# Altium PCB Pleiades_PP.PcbDoc (part 1 of 15) (continued)
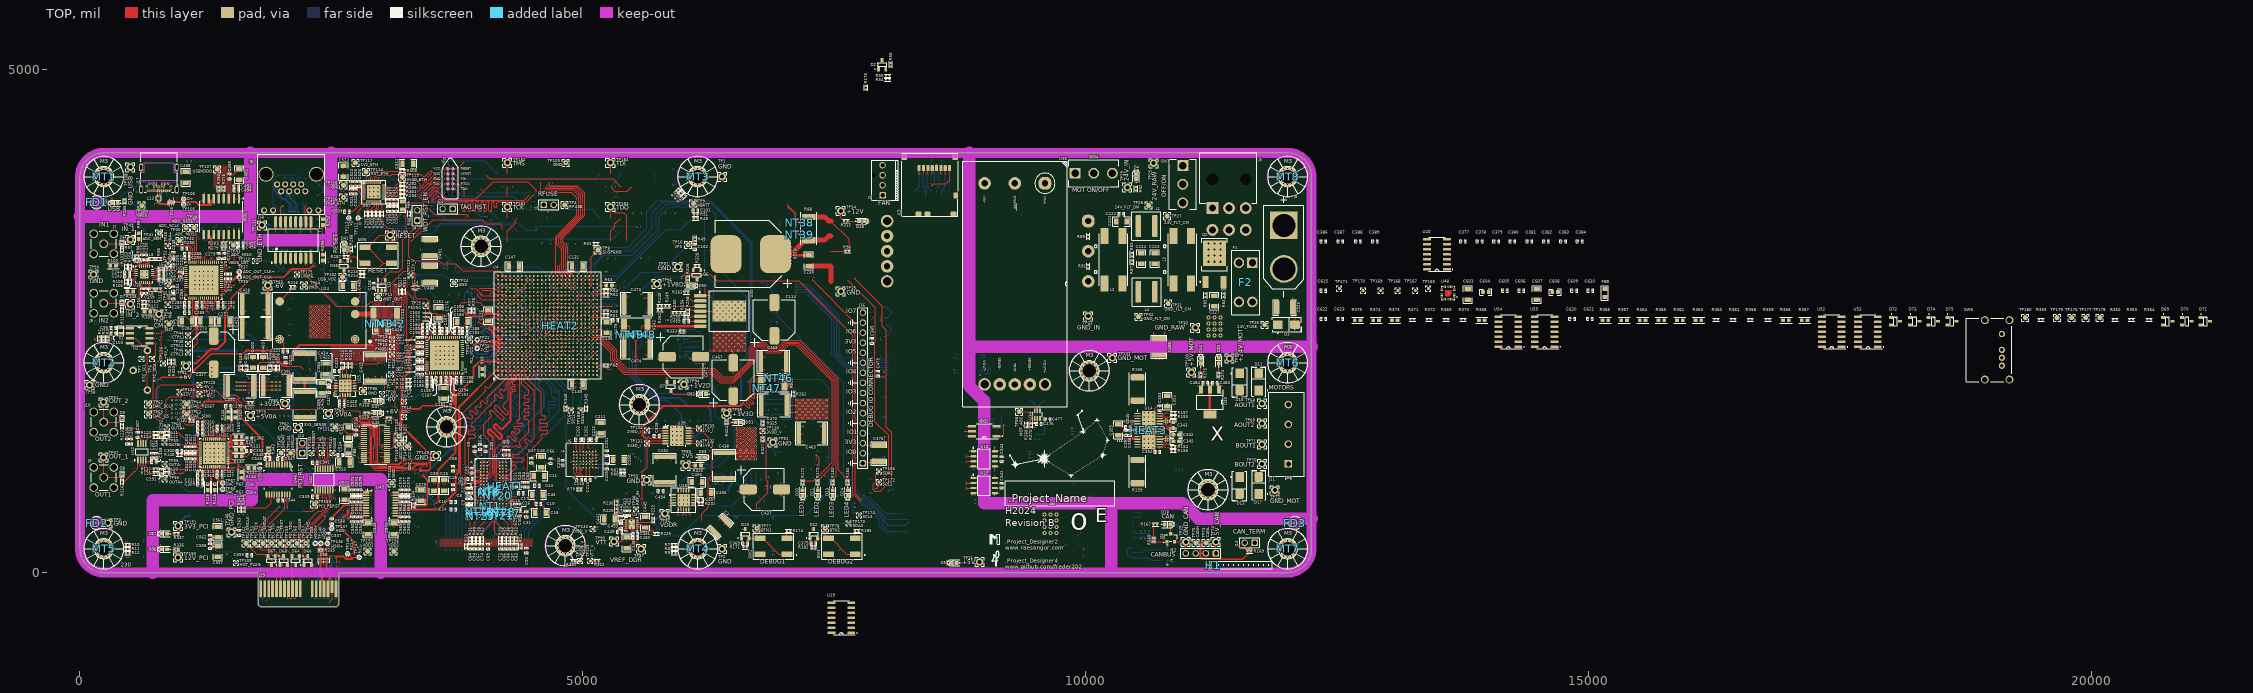
[diagram p0: TOP view]
## Design rules (kind name [scope] priority, off if disabled: settings) (continued)
Width [All] p5: maxlimit=100 minlimit=3 preferedwidth=3.5 toplayer_prefwidth=6 bottomlayer_prefwidth=6 minimp=50.000000 maximp=50.000000 favimp=50.000000
20 further rules are at their usual default settings.

## Classes and differential pairs
net class SD_CARD: SD_CLK SD_CMD SD_D0 SD_D1 SD_D2 SD_D3
net class OUT[0..3]: OUT0 OUT1 OUT2 OUT3
net class IN[0..3]: IN0 IN1 IN2 IN3
component class JTAG: C619 C620 C621 C622 C623 D69 D70 D71 D72 D73 D74 D75 J20 J22 J24 R352 R353 R354 R355 R356 R357 R358 R359 R360 R361 R362 R363 R364 R365 R366 R367 R368 R369 R370 R371 R372 R373 R374 R375 SW6 TP176 TP177 TP178 TP179 TP180 TP181 TP182 TP183 TP184 U52 U53 U54 U55
component class SENSORS: C603 C604 C605 C606 C607 C608 C609 C610 C611 C612 C613 C614 C615 C616 C617 C618 FB9 R345 R346 R347 R348 R349 R350 R351 TP163 TP164 TP165 TP166 TP167 TP168 TP169 TP170 TP171 TP172 TP173 TP174 TP175 U47 U48 U49 U50 U51
net class PROM_COMM: \CE \CEO \CF BUSY CLK CLKOUT OE/RESET PROM_D0 PROM_D1 PROM_D2 PROM_D3 PROM_D4 PROM_D5 PROM_D6 PROM_D7
net class +6V_SHUNT_KELVIN: +6V_SHUNT_19_+
net class +24V_MOT_SHUNT_KELVIN: +24V_MOT_SHUNT_24_+ +24V_MOT_SHUNT_24_-
net class +12V_SHUNT_KELVIN: +12V_SHUNT_19_+ +12V_SHUNT_19_-
net class +3V3D_SHUNT_KELVIN: +3V3D_SHUNT_19_+ +3V3D_SHUNT_19_-
net class +2V5D_SHUNT_KELVIN: +2V5D_SHUNT_19_+ +2V5D_SHUNT_19_-
net class +1V8D_SHUNT_KELVIN: +1V8D_SHUNT_19_+ +1V8D_SHUNT_19_-
net class +1V2D_SHUNT_KELVIN: +1V2D_SHUNT_19_+ +1V2D_SHUNT_19_-
net class DQL: DQ0 DQ1 DQ2 DQ3 DQ4 DQ5 DQ6 DQ7 LDQS_N LDQS_P
net class DQH: DQ8 DQ9 DQ10 DQ11 DQ12 DQ13 DQ14 DQ15 UDQS_N UDQS_P
component class USB: C487 C488 C489 C490 C491 C492 C493 C494 C495 C496 C497 C498 C499 C500 C501 C502 C503 D35 D36 D37 D38 D39 D40 D41 FB5 ISO2 ISO3 J17 L13 L14 M1 Q5 R277 R278 R279 R280 R281 R282 R283 R284 R285 R286 R287 R288 R289 R290 SW5 TP102 TP103 TP104 TP105 TP106 TP107 TP108 TP109 TP110
net class CAN: CAN_13_H CAN_13_L
net class ADC_DATA: CLK_ADC_OUT_N CLK_ADC_OUT_P DA0_N DA0_P DA2_N DA2_P DA4_N DA4_P DA6_N DA6_P DA8_N DA8_P DA10_N DA10_P DA12_N DA12_P DB0_N DB0_P DB2_N DB2_P DB4_N DB4_P DB6_N DB6_P DB8_N DB8_P DB10_N DB10_P DB12_N DB12_P
net class S50: COL_CONFIG0 CRS_CONFIG1 INTRP MDC MDIO RST_ETH_PHY RXC RXD0 RXD1 RXD2 RXD3 RXDV RXER SMA_IN1_11 SMA_IN2_11 SMA_OUT1_12 SMA_OUT2_12 TXC TXD0 TXD1 TXD2 TXD3 TXEN TXER
net class PCI: HSI0_N HSI0_P HSO0_N HSO0_P PCI_HSI0_18_N PCI_HSI0_18_P PCI_HSO0_18_N PCI_HSO0_18_P PCI_REFCLK_18_N PCI_REFCLK_18_P REFCLK_N REFCLK_P
net class MII: COL_CONFIG0 CRS_CONFIG1 INTRP MDC MDIO RST_ETH_PHY RXC RXD0 RXD1 RXD2 RXD3 RXDV RXER TXC TXD0 TXD1 TXD2 TXD3 TXEN TXER
component class PCI: C537 C538 C539 C540 C541 C542 C543 C544 C545 C546 C547 C548 C549 C550 C551 C552 C553 C554 C555 C556 C557 C558 C559 C560 C561 C562 C563 C564 C565 C566 C567 C568 C569 C570 C571 C572 C573 C574 C575 C576 C577 C578 C579 C580 C581 C582 C583 C584 C585 C586 C587 C588 C589 C590 C591 C592 C593 C594 C595 C596 C597 C598 C599 C600 C601 C602 D54 D55 D56 D57 D58 D59 D60 D61 D62 D63 D64 D65 D66 D67 D68 J19 R334 R335 R336 R337 R338 R339 R340 R341 R342 R343 R344 TP136 TP137 TP138 TP139 TP140 TP141 TP142 TP143 TP144 TP145 TP146 TP147 TP148 TP149 TP150 TP151 TP152 TP153 TP154 TP155 TP156 TP157 TP158 TP159 TP160 TP161 TP162 U42 U43 U44 U45 U46
net class USB: DD_16_+ DD_16_- UD_16_+ UD_16_-
net class SD_D[0..3]: SD_D0 SD_D1 SD_D2 SD_D3
net class PROM_D[0..7]: PROM_D0 PROM_D1 PROM_D2 PROM_D3 PROM_D4 PROM_D5 PROM_D6 PROM_D7
net class JTAG: \PCI_TRST PCI_TCK PCI_TDI PCI_TDO PCI_TMS TCK_USB TDI_USB TDO_USB TMS_USB
net class ETHERNET: RD_17_+ RD_17_- RX_17_+ RX_17_- TD_17_+ TD_17_- TX_17_+ TX_17_-
net class DQ[0..15]: DQ0 DQ1 DQ2 DQ3 DQ4 DQ5 DQ6 DQ7 DQ8 DQ9 DQ10 DQ11 DQ12 DQ13 DQ14 DQ15
net class DEBUG_LED_[1..4]: DEBUG_LED_1 DEBUG_LED_2 DEBUG_LED_3 DEBUG_LED_4
net class DDR_DATA: DQ0 DQ1 DQ2 DQ3 DQ4 DQ5 DQ6 DQ7 DQ8 DQ9 DQ10 DQ11 DQ12 DQ13 DQ14 DQ15 LDQS_N LDQS_P UDQS_N UDQS_P
net class DDR_CLK: CK_N CK_P LDQS_N LDQS_P UDQS_N UDQS_P
net class DDR_ADDR: A0 A1 A2 A3 A4 A5 A6 A7 A8 A9 A10 A11 A12 A13 A14 BA0 BA1 BA2
net class DAC_DIFF: D0_N D0_P D1_N D1_P D2_N D2_P D3_N D3_P D4_N D4_P D5_N D5_P D6_N D6_P D7_N D7_P DCI_N DCI_P FRAME_N FRAME_P
net class CLK: CLK_ADC_400MHZ_3_N CLK_ADC_400MHZ_3_P CLK_ADC_OUT_N CLK_ADC_OUT_P CLK_DAC_200MHZ_3_N CLK_DAC_200MHZ_3_P CLK_FPGA_100MHZ_N CLK_FPGA_100MHZ_P OSC_125MHZ_5_N OSC_125MHZ_5_P
net class BA[0..2]: BA0 BA1 BA2
net class ACC: \CAS \DDR_CS \DDR_RESET \RAS \WE A0 A1 A2 A3 A4 A5 A6 A7 A8 A9 A10 A11 A12 A13 A14 BA0 BA1 BA2 CK_N CK_P CKE LDM ODT UDM
net class A[0..14]: A0 A1 A2 A3 A4 A5 A6 A7 A8 A9 A10 A11 A12 A13 A14
component class "USER IOs": C368 C369 C370 C371 C372 C373 C374 C375 C376 C377 C378 C379 C380 C381 C382 C383 C384 C385 C386 C387 C388 C389 D19 D20 D21 D22 D23 D24 D25 D26 D27 D28 D29 D30 D31 D32 J15 J16 R171 R172 R173 R174 R175 R176 R177 R178 R179 R180 R181 R182 R183 R184 R185 SW2 SW3 TP77 TP78 U19 U20
component class Ethernet: C504 C505 C506 C507 C508 C509 C510 C511 C512 C513 C514 C515 C516 C517 C518 C519 C520 C521 C522 C523 C524 C525 C526 D42 D43 D44 D45 D46 FB6 FB7 J18 R291 R292 R293 R294 R295 R296 R297 R298 R299 R300 R301 R302 R303 R304 R305 R306 R307 R308 T1 TP111 TP112 TP113 TP114 TP115 TP116 TP117 TP118 U37 X2
component class "PROM FLASH": C200 C201 C202 C203 C204 C205 C206 C207 C208 C209 C210 C211 C212 C213 C214 C215 C216 C217 R79 R80 R81 R82 U6
component class "POWER INPUT": C218 C219 C220 C221 C222 C223 C224 C225 C226 C227 C228 C229 C230 C231 C232 C233 C234 D3 D4 D5 F1 F2 J5 J6 L1 L2 L3 L4 NT38 NT39 Q1 Q2 R83 R84 R85 R86 R87 R88 R89 R90 R91 R92 R93 SW1 TP25 TP26 TP27 TP28 TP29 TP30 TP31 TP32 TP33 TP34 TP35 TP36 U7 U8 WA1
component class POWER_SENSING: C527 C528 C529 C530 C531 C532 C533 C534 C535 C536 D47 D48 D49 D50 D51 D52 D53 FB8 Q6 Q7 R309 R310 R311 R312 R313 R314 R315 R316 R317 R318 R319 R320 R321 R322 R323 R324 R325 R326 R327 R328 R329 R330 R331 R332 R333 TP119 TP120 TP121 TP122 TP123 TP124 TP125 TP126 TP127 TP128 TP129 TP130 TP131 TP132 TP133 TP134 TP135 U38 U39 U40 U41
component class "MOTOR POWER": C476 C477 C478 C479 C480 C481 C482 C483 C484 C485 C486 D33 D34 NT52 NT53 R266 R267 R268 R269 R270 R271 R272 R273 R274 R275 R276 SW4 TP98 TP99 TP100 TP101 U32 U33 U34 U35 U36
component class "MOTOR CONTROL": C339 C340 C341 C342 C343 C344 C345 C346 C347 C348 C349 C350 C351 C352 C353 C354 C355 C356 C357 C358 C359 C360 C361 C362 C363 C367 D10 D11 D12 D13 D14 D15 D16 D17 D18 FB3 FB4 H12 HEAT3 ISO1 J11 J12 J13 Q3 Q4 R152 R153 R154 R155 R156 R157 R158 R159 R160 R161 R162 R163 R164 R165 R166 R167 R168 R169 R170 TP68 TP69 TP70 TP71 TP72 TP73 TP74 TP75 TP76 U13 U14 U15 U16 U17 U18
component class MECHANICAL: C1 C2 C3 C4 FD1 FD2 FD3 FD4 FD5 FD6 H1 H2 H3 H4 H5 H6 H7 H9 H11 H13 H15 H17 MT1 MT2 MT3 MT4 MT5 MT6 MT7 MT8 R1 R2 R3 R4 R5 R6 R7 R8 R9 R10 R11 R12 TP1 TP2 TP3
component class "FPGA POWER": C458 C459 C460 C461 C462 C463 C464 C465 C466 C467 C468 C469 C470 C471 C472 C473 C474 C475 NT46 NT47 NT48 NT49 NT50 NT51 R241 R242 R243 R244 R245 R246 R247 R248 R249 R250 R251 R252 R253 R254 R255 R256 R257 R258 R259 R260 R261 R262 R263 R264 R265 TP94 TP95 TP96 TP97 U29 U30 U31
component class "FPGA Misc": BT1 C99 C100 C101 C102 C103 C104 C105 C106 C107 C108 C109 C110 C111 C112 C113 C114 C115 C116 C117 C118 C119 C120 C121 C122 C123 C124 C125 C126 C127 C128 C129 C130 C131 C132 C133 C134 C135 C136 C137 C138 C139 C140 C141 C142 C143 C144 C145 C146 C147 C148 D1 D2 H10 HEAT2 J1 J2 J4 R45 R46 R47 R48 R49 R50 R51 R52 R53 R54 R55 R56 R57 TP4 TP5 TP6 TP7 TP8 TP9 TP10 TP11 U2 U3 X1
component class "FPGA IOs": C149 R58 R59 R60 R61 R62 R63 R64 R65 R66 R67 R68 R69 U4
component class DDR3: C5 C6 C7 C8 C9 C10 C11 C12 C13 C14 C15 C16 C17 C18 C19 C20 C21 C22 C23 C24 C25 C26 C27 C28 C29 C30 C31 C32 C33 C34 C35 C36 C37 C38 C39 C40 C41 C42 C43 C44 C45 C46 C47 C48 C49 C50 C51 C52 C53 C54 C55 C56 C57 C58 C59 C60 C61 C62 C63 C64 C65 C66 C67 C68 C69 C70 C71 C72 C73 C74 C75 C76 C77 C78 C79 C80 C81 C82 C83 C84 C85 C86 C87 C88 C89 C90 C91 C92 C93 C94 C95 C96 C97 C98 H8 HEAT1 NT1 NT2 NT3 NT4 NT5 NT6 NT7 NT8 NT9 NT10 NT11 NT12 NT13 NT14 NT15 NT16 NT17 NT18 NT19 NT20 NT21 NT22 NT23 NT24 NT25 NT26 NT27 NT28 NT29 R13 R14 R15 R16 R17 R18 R19 R20 R21 R22 R23 R24 R25 R26 R27 R28 R29 R30 R31 R32 R33 R34 R35 R36 R37 R38 R39 R40 R41 R42 R43 R44 U1
component class "DDR3 POWER": C429 C430 C431 C432 C433 C434 C435 C436 C437 C438 C439 C440 C441 C442 C443 C444 C445 C446 C447 C448 C449 C450 C451 C452 C453 C454 C455 C456 C457 NT44 NT45 R221 R222 R223 R224 R225 R226 R227 R228 R229 R230 R231 R232 R233 R234 R235 R236 R237 R238 R239 R240 TP87 TP88 TP89 TP90 TP91 TP92 TP93 U26 U27 U28
component class DAC: C291 C292 C293 C294 C295 C296 C297 C298 C299 C300 C301 C302 C303 C304 C305 C306 C307 C308 C309 C310 C311 C312 C313 C314 C315 C316 C317 C318 C319 C320 C321 C322 C323 C324 C325 C326 C327 C328 C329 C330 C331 C332 C333 C334 C335 C336 C337 C338 D8 D9 J9 J10 L9 L10 L11 L12 R114 R115 R116 R117 R118 R119 R120 R121 R122 R123 R124 R125 R126 R127 R128 R129 R130 R131 R132 R133 R134 R135 R136 R137 R138 R139 R140 R141 R142 R143 R144 R145 R146 R147 R148 R149 R150 R151 TP55 TP56 TP57 TP58 TP59 TP60 TP61 TP62 TP63 TP64 TP65 TP66 TP67 U11 U12
component class CLOCK: C150 C151 C152 C153 C154 C155 C156 C157 C158 C159 C160 C161 C162 C163 C164 C165 C166 C167 C168 C169 C170 C171 C172 C173 C174 C175 C176 C177 C178 C179 C180 C181 C182 C183 C184 C185 C186 C187 C188 C189 C190 C191 C192 C193 C194 C195 C196 C197 C198 C199 FB1 FB2 R70 R71 R72 R73 R74 R75 R76 R77 R78 TP12 TP13 TP14 TP15 TP16 TP17 TP18 TP19 TP20 TP21 TP22 TP23 TP24 U5 Y1
component class "ANALOG POWER": C390 C391 C392 C393 C394 C395 C396 C397 C398 C399 C400 C401 C402 C403 C404 C405 C406 C407 C408 C409 C410 C411 C412 C413 C414 C415 C416 C417 C418 C419 C420 C421 C422 C423 C424 C425 C426 C427 C428 NT40 NT41 NT42 NT43 R186 R187 R188 R189 R190 R191 R192 R193 R194 R195 R196 R197 R198 R199 R200 R201 R202 R203 R204 R205 R206 R207 R208 R209 R210 R211 R212 R213 R214 R215 R216 R217 R218 R219 R220 TP79 TP80 TP81 TP82 TP83 TP84 TP85 TP86 U21 U22 U23 U24 U25
component class ADC: C235 C236 C237 C238 C239 C240 C241 C242 C243 C244 C245 C246 C247 C248 C249 C250 C251 C252 C253 C254 C255 C256 C257 C258 C259 C260 C261 C262 C263 C264 C265 C266 C267 C268 C269 C270 C271 C272 C273 C274 C275 C276 C277 C278 C279 C280 C281 C282 C283 C284 C285 C286 C287 C288 C289 C290 D6 D7 J7 J8 L5 L6 L7 L8 R94 R95 R96 R97 R98 R99 R100 R101 R102 R103 R104 R105 R106 R107 R108 R109 R110 R111 R112 R113 TP37 TP38 TP39 TP40 TP41 TP42 TP43 TP44 TP45 TP46 TP47 TP48 TP49 TP50 TP51 TP52 TP53 TP54 U9 U10
differential pair UD_15: +UD_16_+ -UD_16_-
differential pair TX_16: +TX_17_+ -TX_17_-
differential pair TD_16: +TD_17_+ -TD_17_-
differential pair RX_16: +RX_17_+ -RX_17_-
differential pair RD_16: +RD_17_+ -RD_17_-
differential pair PCI_REFCLK_17: +PCI_REFCLK_18_P -PCI_REFCLK_18_N
differential pair PCI_HSO0_17: +PCI_HSO0_18_P -PCI_HSO0_18_N
differential pair PCI_HSI0_17: +PCI_HSI0_18_P -PCI_HSI0_18_N
differential pair DD_15: +DD_16_+ -DD_16_-
differential pair +24V_MOT_SHUNT_23: ++24V_MOT_SHUNT_24_+ -+24V_MOT_SHUNT_24_-
differential pair +12V_SHUNT_18: ++12V_SHUNT_19_+ -+12V_SHUNT_19_-
differential pair +3V3D_SHUNT_18: ++3V3D_SHUNT_19_+ -+3V3D_SHUNT_19_-
differential pair +2V5D_SHUNT_18: ++2V5D_SHUNT_19_+ -+2V5D_SHUNT_19_-
differential pair +1V8D_SHUNT_18: ++1V8D_SHUNT_19_+ -+1V8D_SHUNT_19_-
differential pair +1V2D_SHUNT_18: ++1V2D_SHUNT_19_+ -+1V2D_SHUNT_19_-
differential pair D6: +D6_P -D6_N
differential pair D5: +D5_P -D5_N
differential pair REF_CLK: +REF_CLK_P -REF_CLK_N
differential pair CK_TERM_6: +CK_TERM_6_P -CK_TERM_6_N
differential pair DB12: +DB12_P -DB12_N
differential pair DB10: +DB10_P -DB10_N
differential pair DB8: +DB8_P -DB8_N
differential pair DB6: +DB6_P -DB6_N
differential pair DB4: +DB4_P -DB4_N
differential pair DB2: +DB2_P -DB2_N
differential pair DB0: +DB0_P -DB0_N
differential pair DA12: +DA12_P -DA12_N
differential pair DA10: +DA10_P -DA10_N
differential pair DA8: +DA8_P -DA8_N
differential pair DA6: +DA6_P -DA6_N
differential pair DA4: +DA4_P -DA4_N
differential pair DA2: +DA2_P -DA2_N
differential pair DA0: +DA0_P -DA0_N
differential pair CAN_12: +CAN_13_H -CAN_13_L
differential pair REFCLK: +REFCLK_P -REFCLK_N
differential pair HSO0: +HSO0_P -HSO0_N
differential pair HSI0: +HSI0_P -HSI0_N
differential pair UDQS: +UDQS_P -UDQS_N
differential pair OSC_125MHZ_5: +OSC_125MHZ_5_P -OSC_125MHZ_5_N
differential pair LDQS: +LDQS_P -LDQS_N
differential pair FRAME: +FRAME_P -FRAME_N
differential pair DCI: +DCI_P -DCI_N
differential pair D7: +D7_P -D7_N
differential pair D4: +D4_P -D4_N
differential pair D3: +D3_P -D3_N
differential pair D2: +D2_P -D2_N
differential pair D1: +D1_P -D1_N
differential pair D0: +D0_P -D0_N
differential pair CLK_FPGA_100MHZ: +CLK_FPGA_100MHZ_P -CLK_FPGA_100MHZ_N
differential pair CLK_DAC_200MHZ_3: +CLK_DAC_200MHZ_3_P -CLK_DAC_200MHZ_3_N
differential pair CLK_ADC_OUT: +CLK_ADC_OUT_P -CLK_ADC_OUT_N
differential pair CLK_ADC_400MHZ_3: +CLK_ADC_400MHZ_3_P -CLK_ADC_400MHZ_3_N
differential pair CK: +CK_P -CK_N

## Components (designator, comment, footprint, x,y, rotation, side; value= is the part's Value field where it differs from the comment)
BT1 "BK-5058" BK-5058 600,2010 r270 bottom
C1 "1nF" CAP_1812 235,2405 r90 bottom
C2 "1nF" CAP_1812 5825,3935 r180 bottom
C3 "1nF" CAP_1812 6365,460 r45 top
C4 "1nF" CAP_1812 555,235 r0 bottom
C5 "470nF" CAP_0402 3924.2,1228.78 r90 top
C6 "47nF" CAP_0402 3990,1270 r0 bottom
C7 "47nF" CAP_0402 3990,1230 r0 bottom
C8 "47nF" CAP_0402 3890,710 r270 top
C9 "47nF" CAP_0402 3850,710 r270 top
C10 "470nF" CAP_0402 3715,705 r180 top
C11 "1uF" CAP_1206 4565,960 r0 top
C12 "470nF" CAP_0402 4370,940 r180 bottom
C13 "47nF" CAP_0402 4355,1015 r270 bottom
C14 "47nF" CAP_0402 4315,1015 r270 bottom
C15 "47nF" CAP_0402 4330,660 r270 top
C16 "47nF" CAP_0402 4369.42,660 r270 top
C17 "470nF" CAP_0402 4385,790 r180 top
C18 "1uF" CAP_1206 4580,595 r0 top
C19 "470nF" CAP_0402 4560,685 r0 top
C20 "47nF" CAP_0402 4370,875 r90 top
C21 "47nF" CAP_0402 4330,875 r90 top
C22 "47nF" CAP_0402 3890,635 r270 top
C23 "47nF" CAP_0402 3850,635 r270 top
C24 "470nF" CAP_0402 3715,630 r180 top
C25 "1uF" CAP_1206 3620,868.04 r270 top
C26 "470nF" CAP_0402 3710,850 r270 top
C27 "47nF" CAP_0402 3850,815 r270 top
C28 "47nF" CAP_0402 3890,815 r270 top
C29 "47nF" CAP_0402 4330,585 r270 top
C30 "47nF" CAP_0402 4370.64,586.45 r270 top
C31 "470nF" CAP_0402 4440,580 r270 top
C32 "1uF" CAP_1206 4450,675 r180 bottom
C33 "470nF" CAP_0402 4420,590 r180 bottom
C34 "47nF" CAP_0402 4095,900 r135 bottom
C35 "47nF" CAP_0402 4390,880 r180 bottom
C36 "47nF" CAP_0402 3980,1250 r90 top
C37 "47nF" CAP_0402 3895,1090 r90 bottom
C38 "470nF" CAP_0402 3750,1050 r270 bottom
C39 "470nF" CAP_0402 4035,1230 r90 top
C40 "47nF" CAP_0402 3990,1190 r0 bottom
C41 "47nF" CAP_0402 3990,1150 r0 bottom
C42 "47nF" CAP_0402 4315,880 r0 bottom
C43 "47nF" CAP_0402 4315,840 r0 bottom
C44 "470nF" CAP_0402 4545,865 r0 top
C45 "1uF" CAP_1206 4550,775 r0 top
C46 "1uF" CAP_1206 4585,1100 r270 top
C47 "470nF" CAP_0402 4490,1115 r270 top
C48 "47nF" CAP_0402 4220,1195 r90 top
C49 "47nF" CAP_0402 4260,1195 r90 top
C50 "47nF" CAP_0402 3878.02,931.05 r180 top
C51 "47nF" CAP_0402 3895,940 r90 bottom
C52 "470nF" CAP_0402 3790,937.01 r180 bottom
C53 "470nF" CAP_0402 3830,1050 r270 bottom
C54 "47nF" CAP_0402 3895,1015 r270 bottom
C55 "47nF" CAP_0402 3895,1015 r270 top
C56 "47nF" CAP_0402 3940,940 r90 bottom
C57 "47nF" CAP_0402 4030,860 r315 bottom
C58 "470nF" CAP_0402 3710,1035 r90 top
C59 "1uF" CAP_1206 3520,868.04 r270 top
C60 "1uF" CAP_1206 4570,1105 r0 bottom
C61 "470nF" CAP_0402 4495,980 r270 bottom
C62 "47nF" CAP_0402 4435,1015 r270 bottom
C63 "47nF" CAP_0402 4395,1015 r270 bottom
C64 "47nF" CAP_0402 4410,875 r90 top
C65 "47nF" CAP_0402 4450,875 r90 top
C66 "470nF" CAP_0402 4680,1110 r270 top
C67 "47nF" CAP_0402 3960,260 r270 top
C68 "47nF" CAP_0402 4380.15,260.27 r270 bottom
C69 "47nF" CAP_0402 4260,260 r270 bottom
C70 "47nF" CAP_0402 3760,260 r270 bottom
C71 "47nF" CAP_0402 3960,260 r270 bottom
C72 "47nF" CAP_0402 4180,260 r270 top
C73 "47nF" CAP_0402 3840,260 r270 bottom
C74 "47nF" CAP_0402 4000,260 r270 top
C75 "47nF" CAP_0402 4300,260 r270 bottom
C76 "47nF" CAP_0402 3640,260 r270 bottom
C77 "47nF" CAP_0402 3680,260 r270 bottom
C78 "47nF" CAP_0402 3720,260 r270 bottom
C79 "47nF" CAP_0402 4220,260 r270 bottom
C80 "47nF" CAP_0402 4420,260 r270 bottom
C81 "47nF" CAP_0402 3880,260 r270 bottom
C82 "47nF" CAP_0402 4460,260 r270 bottom
C83 "47nF" CAP_0402 4340,260 r270 top
C84 "47nF" CAP_0402 3880,260 r270 top
C85 "47nF" CAP_0402 3920,260 r270 bottom
C86 "47nF" CAP_0402 4220,260 r270 top
C87 "47nF" CAP_0402 3575,295 r180 bottom
C88 "47nF" CAP_0402 4260,260 r270 top
C89 "47nF" CAP_0402 4060,260 r270 top
C90 "47nF" CAP_0402 4440,220 r270 top
C91 "47nF" CAP_0402 4180,260 r270 bottom
C92 "47nF" CAP_0402 3800,260 r270 bottom
C93 "47nF" CAP_0402 4120,330 r270 bottom
C94 "47nF" CAP_0402 3920,260 r270 top
C95 "47nF" CAP_0402 4340,260 r270 bottom
C96 "47nF" CAP_0402 4120,260 r270 bottom
C97 "47nF" CAP_0402 4300,260 r270 top
C98 "47nF" CAP_0402 4000,260 r270 bottom
C99 "7pF" CAP_0402 332.5,2435 r180 top
C100 "100nF" CAP_0402 770,2450 r180 bottom
C101 "470nF" CAP_0402 6121.46,3600 r0 top
C102 "470nF" CAP_0402 6115,3240 r270 top
C103 "7pF" CAP_0402 332.5,2380 r180 top
C104 "4.7nF" CAP_1812 7975,4905 r0 bottom
C105 "10uF" CAP_1206 8210,4925 r180 bottom
C106 "100nF" CAP_0402 2920,2855 r90 top
C107 "MAL215099101E3" CAP_ALU_1010_vishay 6105.71,1570 r180 bottom value=100uF
C108 "4.7uF" CAP_1206 4570.87,2456.69 r0 bottom
C109 "4.7uF" CAP_1206 4590.55,2358.27 r0 bottom
C110 "470nF" CAP_0402 4708.66,2476.38 r0 bottom
C111 "470nF" CAP_0402 4708.66,2555.12 r180 bottom
C112 "470nF" CAP_0402 4610,2555.12 r180 bottom
C113 "470nF" CAP_0402 4511.81,2555.12 r270 bottom
C114 "MAL215099101E3" CAP_ALU_1010_vishay 6905,2685 r270 top value=100uF
C115 "MAL215099101E3" CAP_ALU_1010_vishay 5540,3510 r0 bottom value=100uF
C116 "4.7uF" CAP_1206 4090,2075 r180 bottom
C117 "4.7uF" CAP_1206 4433.07,2712.6 r90 bottom
C118 "4.7uF" CAP_1206 4885.83,2240.16 r270 bottom
C119 "470nF" CAP_0402 4354.33,2791.34 r90 bottom
C120 "470nF" CAP_0402 4570.87,2122.05 r0 bottom
C121 "470nF" CAP_0402 4944.88,2515.75 r0 bottom
C122 "470nF" CAP_0402 4826.77,2476.38 r0 bottom
C123 "470nF" CAP_0402 4944.88,2712.6 r0 bottom
C124 "470nF" CAP_0402 4433.07,2397.64 r270 bottom
C125 "MAL215099101E3" CAP_ALU_1010_vishay 3715,2705 r0 bottom value=100uF
C126 "4.7uF" CAP_1206 4060,2555 r90 top
C127 "470nF" CAP_0402 4314.96,2476.38 r90 bottom
C128 "470nF" CAP_0402 4255,2280 r180 bottom
C129 "470nF" CAP_0402 4195,2140 r270 bottom
C130 "MAL215099101E3" CAP_ALU_1010_vishay 4645,3220 r0 bottom value=100uF
C131 "4.7uF" CAP_1206 4945,3045 r0 top
C132 "470nF" CAP_0402 4805,2910 r0 bottom
C133 "470nF" CAP_0402 4905.51,2830.71 r0 bottom
C134 "470nF" CAP_0402 5043.31,2929.13 r180 bottom
C135 "4.7uF" CAP_1206 5235,2435 r90 top
C136 "470nF" CAP_0402 5043.31,2476.38 r0 bottom
C137 "470nF" CAP_0402 5043.31,2377.95 r180 bottom
C138 "MAL215099101E3" CAP_ALU_1010_vishay 5290,3065 r0 bottom value=100uF
C139 "4.7uF" CAP_1206 4945,1870 r0 top
C140 "470nF" CAP_0402 4708.66,2003.94 r180 bottom
C141 "470nF" CAP_0402 5062.99,2122.05 r0 bottom
C142 "470nF" CAP_0402 4866.14,2082.68 r0 bottom
C143 "MAL215099101E3" CAP_ALU_1010_vishay 4820,695 r0 bottom value=100uF
C144 "4.7uF" CAP_1206 4125,1975 r180 bottom
C145 "470nF" CAP_0402 4472.44,2200.79 r90 bottom
C146 "470nF" CAP_0402 4393.7,2003.94 r180 bottom
C147 "4.7uF" CAP_1206 4315,3045 r0 top
C148 "470nF" CAP_0402 4472.44,2909.45 r0 bottom
C149 "100nF" CAP_0402 4236.22,2082.68 r90 bottom
C150 "DNF" CAP_0402 3665,1935 r0 bottom
C151 "DNF" CAP_0402 3665,1895 r0 bottom
C152 "1uF" CAP_1206 3260,1090 r0 bottom
C153 "100nF" CAP_0402 3160,1232.5 r90 bottom
C154 "10uF" CAP_1206 3300,1230 r270 bottom
C155 "100nF" CAP_0402 3215,1295 r180 bottom
C156 "1nF" CAP_0402 3215,1335 r180 bottom
C157 "330pF" CAP_0402 3215,1375 r180 bottom
C158 "10uF" CAP_1206 3580,1865 r270 bottom
C159 "10uF" CAP_1206 3800,2410 r0 bottom
C160 "1uF" CAP_1206 3790,1865 r270 bottom
C161 "10uF" CAP_1206 3565,2580 r90 top
C162 "1uF" CAP_1206 3435,2310 r0 bottom
C163 "100nF" CAP_0402 3550,2465 r180 top
C164 "100nF" CAP_0402 3360,2070 r90 top
C165 "1nF" CAP_0402 3360,2145 r90 top
C166 "1nF" CAP_0402 3360,2220 r90 top
C167 "1nF" CAP_0402 3625,2425 r180 top
C168 "470pF" CAP_0402 3360,1995 r270 top
C169 "470pF" CAP_0402 3360,2315 r90 top
C170 "470pF" CAP_0402 3550,2425 r180 top
C171 "68pF" CAP_0402 3400,2220 r90 top
C172 "68pF" CAP_0402 3400,2145 r90 top
C173 "68pF" CAP_0402 3400,2070 r90 top
C174 "68pF" CAP_0402 3400,1995 r270 top
C175 "68pF" CAP_0402 3400,2315 r90 top
C176 "68pF" CAP_0402 3625,2385 r180 top
C177 "68pF" CAP_0402 3550,2385 r180 top
C178 "68pF" CAP_0402 3350,1920 r270 bottom
C179 "10uF" CAP_1206 3480,2150 r90 bottom
C180 "1uF" CAP_1206 3520,2010 r0 bottom
C181 "100nF" CAP_0402 3460,1920 r90 bottom
C182 "10uF" CAP_1206 3615,1782 r270 top
C183 "1uF" CAP_1206 3802.5,2495 r0 top
C184 "100nF" CAP_0402 3430,2465 r180 top
C185 "100nF" CAP_0402 3475,1855 r180 top
C186 "1nF" CAP_0402 3770,1895 r0 top
C187 "1nF" CAP_0402 3565,1895 r180 top
C188 "1nF" CAP_0402 3827.5,2425 r0 top
C189 "470pF" CAP_0402 3430,2425 r180 top
C190 "470pF" CAP_0402 3747.5,2425 r0 top
C191 "470pF" CAP_0402 3665,1895 r0 top
C192 "68pF" CAP_0402 3475,1895 r180 top
C193 "68pF" CAP_0402 3827.5,2385 r0 top
C194 "68pF" CAP_0402 3665,1935 r0 top
C195 "68pF" CAP_0402 3565,1935 r180 top
C196 "22pF" CAP_0402 3770,1935 r0 top
C197 "22pF" CAP_0402 3475,1935 r180 top
C198 "22pF" CAP_0402 3430,2385 r180 top
C199 "22pF" CAP_0402 3747.5,2385 r0 top
C200 "1uF" CAP_1206 5354.25,1122.24 r0 top
C201 "100nF" CAP_0402 5239.25,1187.24 r90 top
C202 "100nF" CAP_0402 5034.25,1322.24 r0 top
C203 "100nF" CAP_0402 4954.25,1322.24 r180 top
C204 "100nF" CAP_0402 4799.25,1092.24 r90 top
C205 "100nF" CAP_0402 5239.25,1057.24 r270 top
C206 "1nF" CAP_0402 5084.25,1162.24 r180 bottom
C207 "1nF" CAP_0402 5035,1210 r0 bottom
C208 "1nF" CAP_0402 4954.25,1202.24 r180 bottom
C209 "1nF" CAP_0402 4924.25,1077.24 r180 bottom
C210 "1nF" CAP_0402 5129.49,1057.24 r270 bottom
C211 "1uF" CAP_1206 5179.25,1437.24 r90 top
C212 "100nF" CAP_0402 5109.25,1322.24 r180 top
C213 "100nF" CAP_0402 5050,922.22 r0 top
C214 "100nF" CAP_0402 4964.25,922.24 r180 top
C215 "1nF" CAP_0402 5097.99,1269.59 r90 bottom
C216 "1nF" CAP_0402 5051.06,1037.24 r0 bottom
C217 "1nF" CAP_0402 4924.25,1037.24 r180 bottom
C218 "1nF" CAP_1812 8850,2580 r180 bottom
C219 "MAL214699108E3" CAP_ALU_1616_vishay 10605,2782.87 r90 bottom value=470uF
C220 "MAL215099101E3" CAP_ALU_1010_vishay 10675,3930.71 r270 bottom value=100uF
C221 "10uF" CAP_1206 10355,3490 r180 top
C222 "100nF" CAP_0402 10355,3565 r180 top
C223 "2.2uF" CAP_1206 10687,3123 r270 top
C224 "2.2uF" CAP_1206 10553,3123 r270 top
C225 "1nF" CAP_1812 11978.11,2635 r0 top
C226 "1nF" CAP_1812 8850,2405 r0 bottom
C227 "10uF" CAP_1206 11280,2700 r270 top
C228 "MAL214699108E3" CAP_ALU_1616_vishay 6422.87,3165 r0 top value=470uF
C229 "MAL215099101E3" CAP_ALU_1010_vishay 6930,3030 r90 bottom value=100uF
C230 "10uF" CAP_1206 7245,3100 r270 top
C231 "10uF" CAP_1206 9830,330 r90 bottom
C232 "100nF" CAP_0402 9720,110 r180 bottom
C233 "100nF" CAP_0402 9540,110 r180 bottom
C234 "100nF" CAP_0402 9540,70 r180 bottom
C235 "100nF" CAP_0402 985,2900 r0 bottom
C236 "100nF" CAP_0402 985,2860 r0 bottom
C237 "470pF" CAP_0402 1000,2965 r90 top
C238 "330pF" CAP_0402 930,3162.5 r270 top
C239 "330pF" CAP_0402 930,3085 r270 top
C240 "10uF" CAP_1206 470,3100 r90 bottom
C241 "100nF" CAP_0402 470,2945 r180 bottom
C242 "100nF" CAP_0402 470,2985 r180 bottom
C243 "47nF" CAP_0402 470,2945 r180 top
C244 "47nF" CAP_0402 470,2985 r180 top
C245 "1nF" CAP_0402 565,2945 r0 bottom
C246 "1nF" CAP_0402 565,2985 r0 bottom
C247 "10uF" CAP_1206 810,3095 r90 bottom
C248 "100nF" CAP_0402 620,3135 r90 bottom
C249 "100nF" CAP_0402 660,3135 r90 bottom
C250 "47nF" CAP_0402 660,3135 r90 top
C251 "47nF" CAP_0402 620,3135 r90 top
C252 "1nF" CAP_0402 660,3040 r270 bottom
C253 "1nF" CAP_0402 620,3040 r270 bottom
C254 "330pF" CAP_0402 930,2820 r270 top
C255 "330pF" CAP_0402 929.69,2745 r270 top
C256 "10uF" CAP_1206 470,2825 r270 bottom
C257 "100nF" CAP_0402 660,2800 r270 bottom
C258 "100nF" CAP_0402 620,2800 r270 bottom
C259 "47nF" CAP_0402 660,2800 r270 top
C260 "47nF" CAP_0402 620,2800 r270 top
C261 "1nF" CAP_0402 660,2895 r90 bottom
C262 "1nF" CAP_0402 620,2895 r90 bottom
C263 "10uF" CAP_1206 810,2825 r270 bottom
C264 "100nF" CAP_0402 810,2945 r0 bottom
C265 "100nF" CAP_0402 810,2985 r0 bottom
C266 "47nF" CAP_0402 810,2945 r0 top
C267 "47nF" CAP_0402 810,2985 r0 top
C268 "1nF" CAP_0402 715,2945 r180 bottom
C269 "1nF" CAP_0402 715,2985 r180 bottom
C270 "22uF" CAP_2220 1230,2905 r180 bottom
C271 "1uF" CAP_1206 1315,3180 r0 bottom
C272 "1uF" CAP_1206 1435,2500 r180 top
C273 "1uF" CAP_1206 1250,2500 r0 top
C274 "470pF" CAP_0402 1495,2945 r90 top
C275 "470pF" CAP_0402 1440,3150 r90 top
C276 "470pF" CAP_0402 1400,2640 r0 top
C277 "470pF" CAP_0402 1190,2640 r0 top
C278 "68pF" CAP_0402 1455,2945 r90 top
C279 "68pF" CAP_0402 1380,3150 r90 top
C280 "68pF" CAP_0402 1400,2680 r0 top
C281 "68pF" CAP_0402 1190,2680 r0 top
C282 "22uF" CAP_2220 845,3330 r180 bottom
C283 "1uF" CAP_1206 1065,2500 r180 top
C284 "1uF" CAP_1206 1070,3205 r90 bottom
C285 "470nF" CAP_0402 1065,2585 r180 top
C286 "470nF" CAP_0402 1040,3225 r180 top
C287 "470pF" CAP_0402 1065,2640 r180 top
C288 "470pF" CAP_0402 1065,3170 r180 top
C289 "68pF" CAP_0402 1065,2680 r180 top
C290 "68pF" CAP_0402 1065,3130 r180 top
C291 "330pF" CAP_0402 810,1005 r90 top
C292 "330pF" CAP_0402 810,1370 r270 top
C293 "1nF" CAP_0402 1680,1210 r0 top
C294 "1nF" CAP_0402 1680,1250 r0 bottom
C295 "1nF" CAP_0402 1790,1060 r90 top
C296 "1nF" CAP_0402 1680,1380 r0 bottom
C297 "1nF" CAP_0402 1395,865 r270 bottom
C298 "1nF" CAP_0402 1625,1015 r270 bottom
C299 "1nF" CAP_0402 1475,1655 r180 top
C300 "100nF" CAP_0402 990,1210 r180 top
C301 "1nF" CAP_0402 1535,865 r270 bottom
C302 "1nF" CAP_0402 1685,1335 r0 top
C303 "1nF" CAP_0402 1395,1455 r180 bottom
C304 "10uF" CAP_1206 625,1285 r0 bottom
C305 "100nF" CAP_0402 510,1305 r90 top
C306 "47nF" CAP_0402 470,1305 r90 top
C307 "1nF" CAP_0402 575,1369.49 r90 top
C308 "1uF" CAP_1206 1115,1140 r90 bottom
C309 "100nF" CAP_0402 1195,880 r0 top
C310 "100nF" CAP_0402 1195,1495 r0 top
C311 "47nF" CAP_0402 1195,920 r0 top
C312 "47nF" CAP_0402 1060,1155 r90 top
C313 "47nF" CAP_0402 1060,1230 r270 top
C314 "47nF" CAP_0402 1195,1455 r0 top
C315 "1nF" CAP_0402 1195,960 r0 top
C316 "1nF" CAP_0402 1100,1155 r90 top
C317 "1nF" CAP_0402 1100,1230 r270 top
C318 "1nF" CAP_0402 1195,1415 r0 top
C319 "330pF" CAP_0402 1195,1000 r0 top
C320 "330pF" CAP_0402 1140,1155 r90 top
C321 "330pF" CAP_0402 1140,1230 r270 top
C322 "330pF" CAP_0402 1195,1375 r0 top
C323 "1uF" CAP_1206 1140,890 r180 bottom
C324 "100nF" CAP_0402 1195,1455 r180 bottom
C325 "1nF" CAP_0402 1390,1455 r0 top
C326 "1nF" CAP_0402 1195,1415 r180 bottom
C327 "1nF" CAP_0402 1390,960 r0 top
C328 "1nF" CAP_0402 1270,960 r0 bottom
C329 "1nF" CAP_0402 1195,960 r180 bottom
C330 "330pF" CAP_0402 1390,1415 r0 top
C331 "330pF" CAP_0402 1195,1375 r180 bottom
C332 "330pF" CAP_0402 1390,1000 r0 top
C333 "330pF" CAP_0402 1270,1000 r0 bottom
C334 "330pF" CAP_0402 1195,1000 r180 bottom
C335 "10uF" CAP_1206 610,1115 r180 bottom
C336 "100nF" CAP_0402 760,1165 r90 top
C337 "47nF" CAP_0402 720,1165 r90 top
C338 "1nF" CAP_0402 735,1105 r0 top
C339 "100nF" CAP_0402 9165,865.31 r90 bottom
C340 "100nF" CAP_0402 10420,1450 r180 top
C341 "100nF" CAP_0402 9165,865.31 r270 top
C342 "220nF" CAP_0603 10900,1370 r0 top
C343 "220nF" CAP_0603 10870,1465 r90 top
C344 "100nF" CAP_0402 9165,1130.31 r270 top
C345 "220nF" CAP_0603 10900,1305 r0 top
C346 "100nF" CAP_0402 9165,1130 r90 bottom
C347 "1nF" CAP_0402 10541,1359.82 r270 bottom
C348 "1nF" CAP_0402 10541,1440 r270 bottom
C349 "1nF" CAP_0402 10541,1520 r90 bottom
C350 "MAL215099101E3" CAP_ALU_1010_vishay 10599.29,1860 r0 bottom value=100uF
C351 "MAL215099101E3" CAP_ALU_1010_vishay 10599.29,970 r0 bottom value=100uF
C352 "10uF" CAP_1206 10810,1705 r90 top
C353 "100nF" CAP_0402 10735,1635 r90 top
C354 "100nF" CAP_0402 10715,1200 r180 top
C355 "1uF" CAP_1206 10325,1420 r90 top
C356 "100nF" CAP_0402 10440,1390 r90 top
C357 "100nF" CAP_0402 10400,1390 r90 top
C358 "100nF" CAP_0402 10630,375 r90 bottom
C359 "1nF" CAP_0402 10590,375 r90 bottom
C360 "1nF" CAP_0402 10550,375 r90 bottom
C361 "220nF" CAP_0603 10565,175 r270 bottom
C362 "10uF" CAP_1206 10660,175 r270 bottom
C363 "10uF" CAP_1206 9930,330 r90 bottom
C367 "1nF" CAP_0402 9965,200 r270 bottom
C368 "4.7nF" CAP_1812 6762.13,181.26 r180 bottom
C369 "100nF" CAP_0402 6615,290 r180 top
C370 "10uF" CAP_1206 8515,4050 r0 bottom
C371 "100nF" CAP_0402 8515,3890 r0 bottom
C372 "100nF" CAP_0402 8515,3930.45 r0 bottom
C373 "1nF" CAP_0402 8515,3970 r0 bottom
C374 "4.7nF" CAP_1812 7442.13,181.26 r180 bottom
C375 "100nF" CAP_0402 7295,290 r180 top
C376 "4.7nF" CAP_1812 7945,1185 r270 top
C377 "DNF" CAP_0402 13752.6,3294.09 r180 top
C378 "DNF" CAP_0402 13917.6,3294.09 r180 top